# KiCad board flex.kicad_pcb
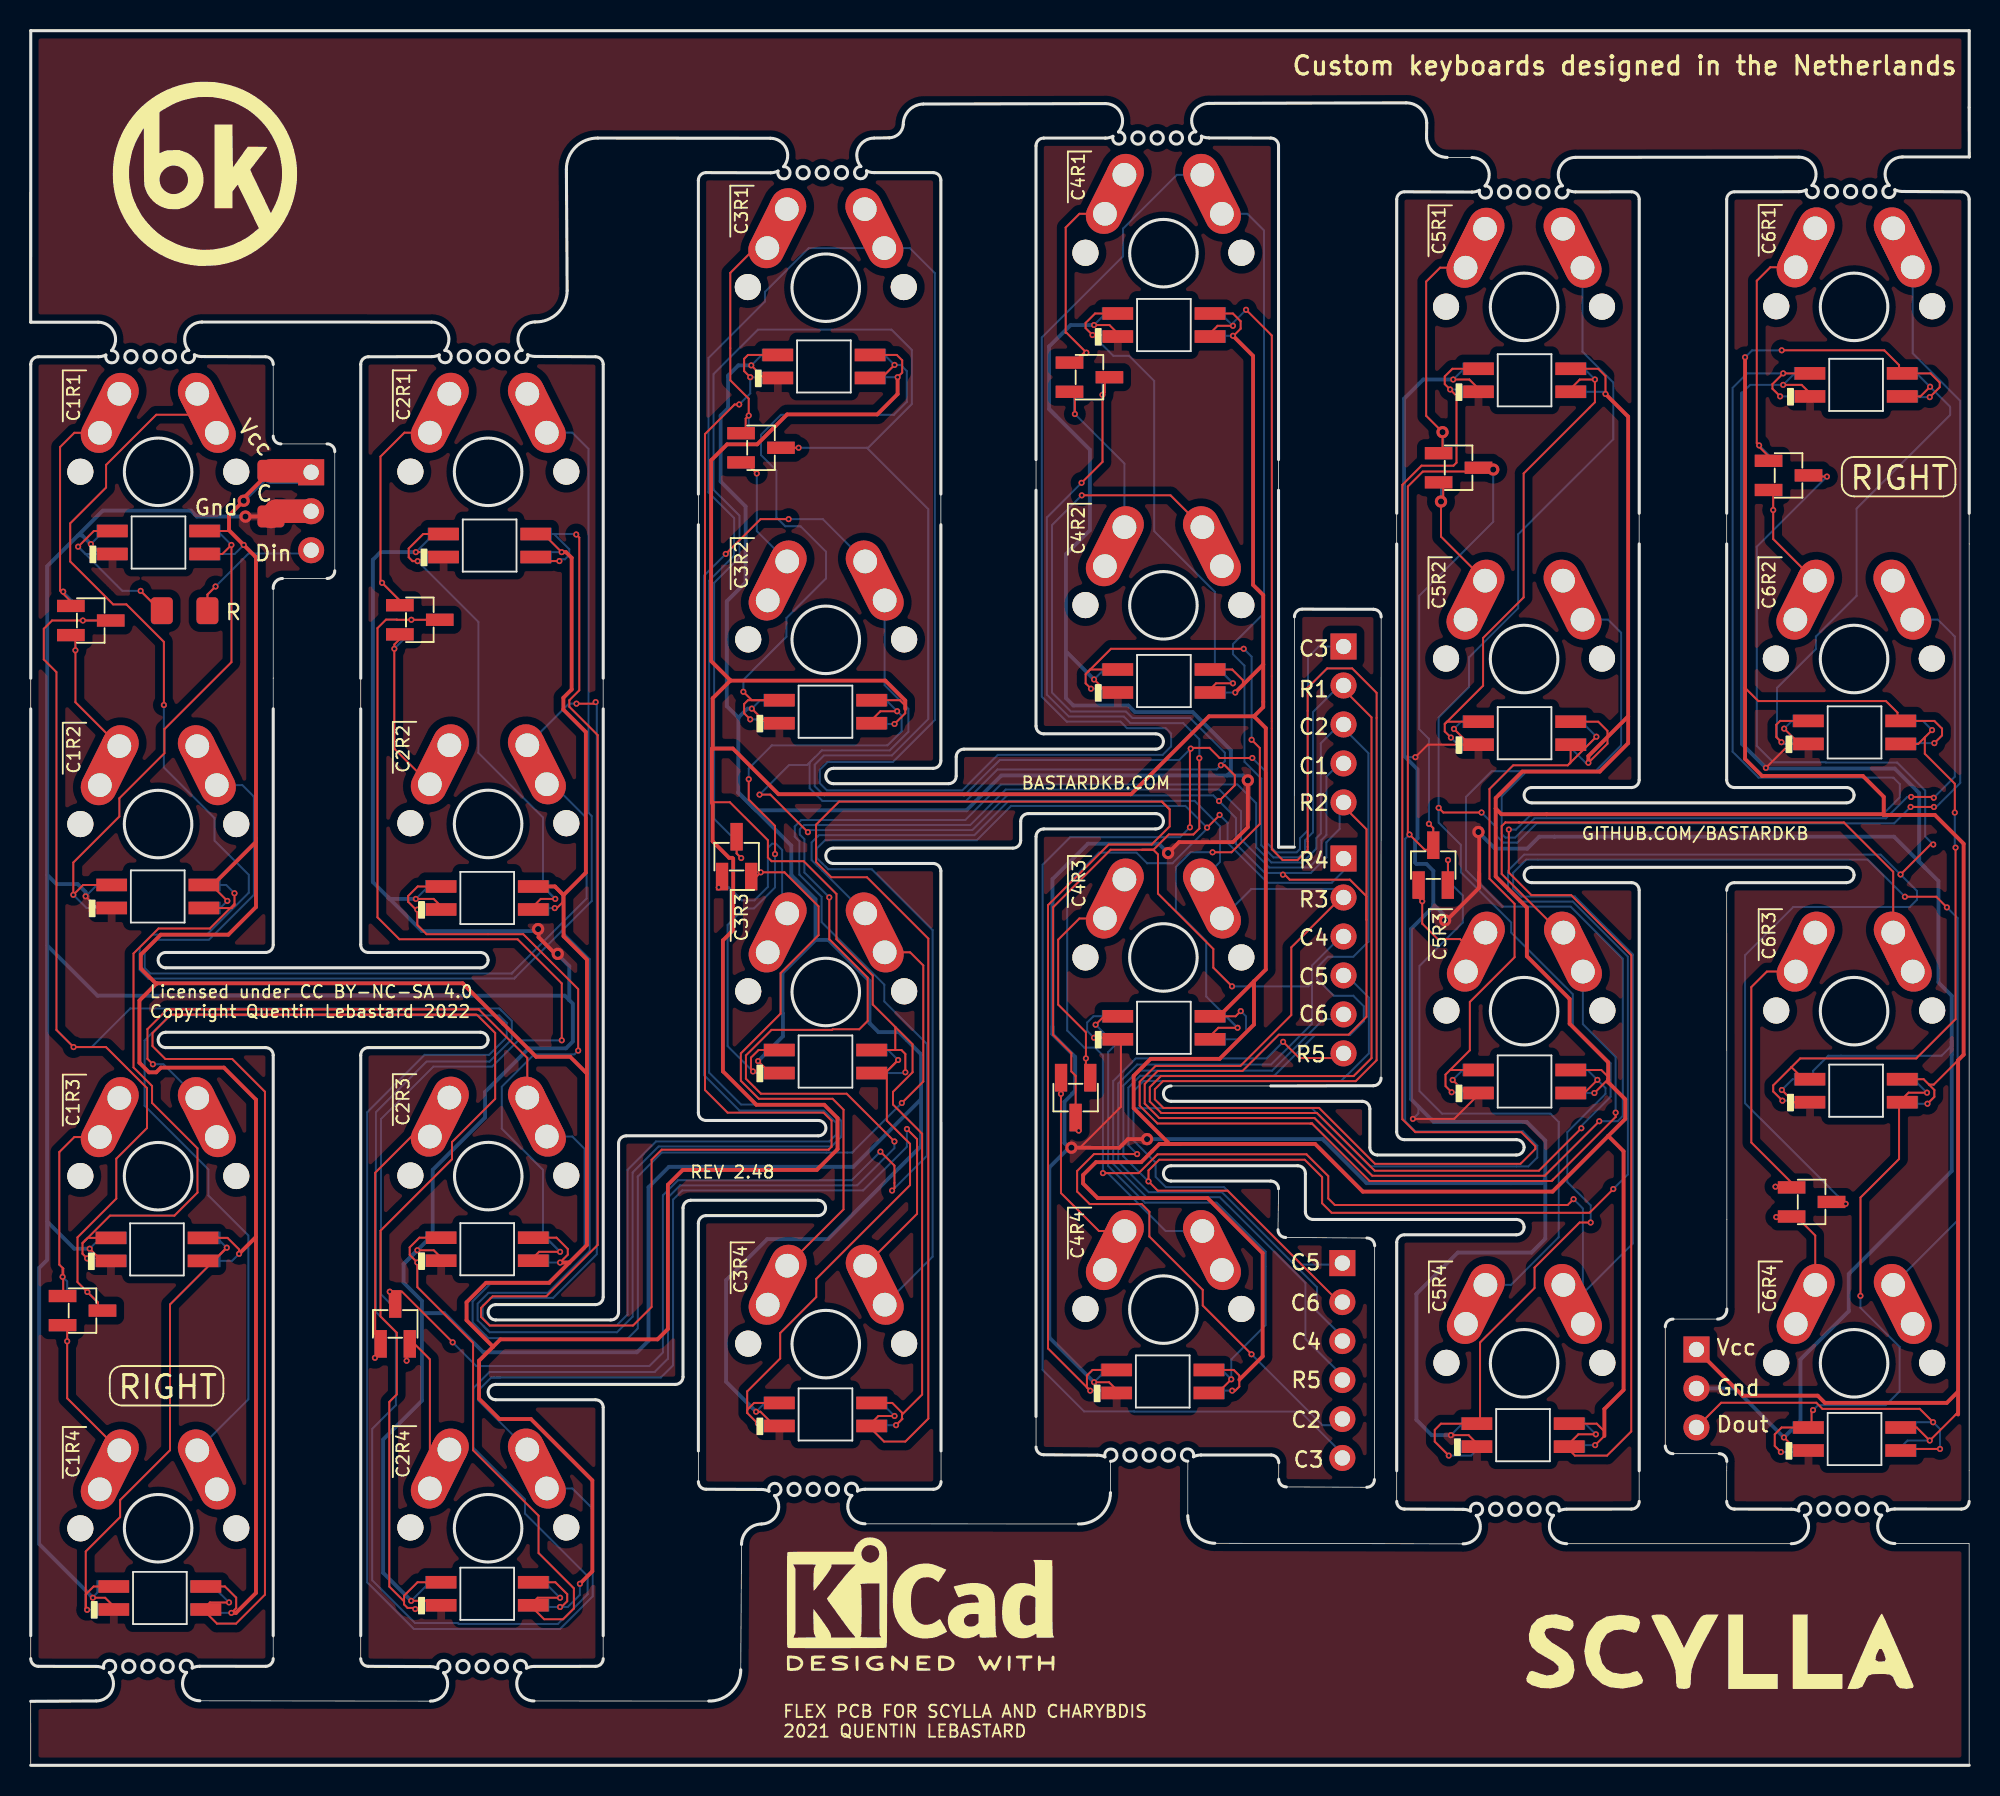
[diagram p0: board, top side]
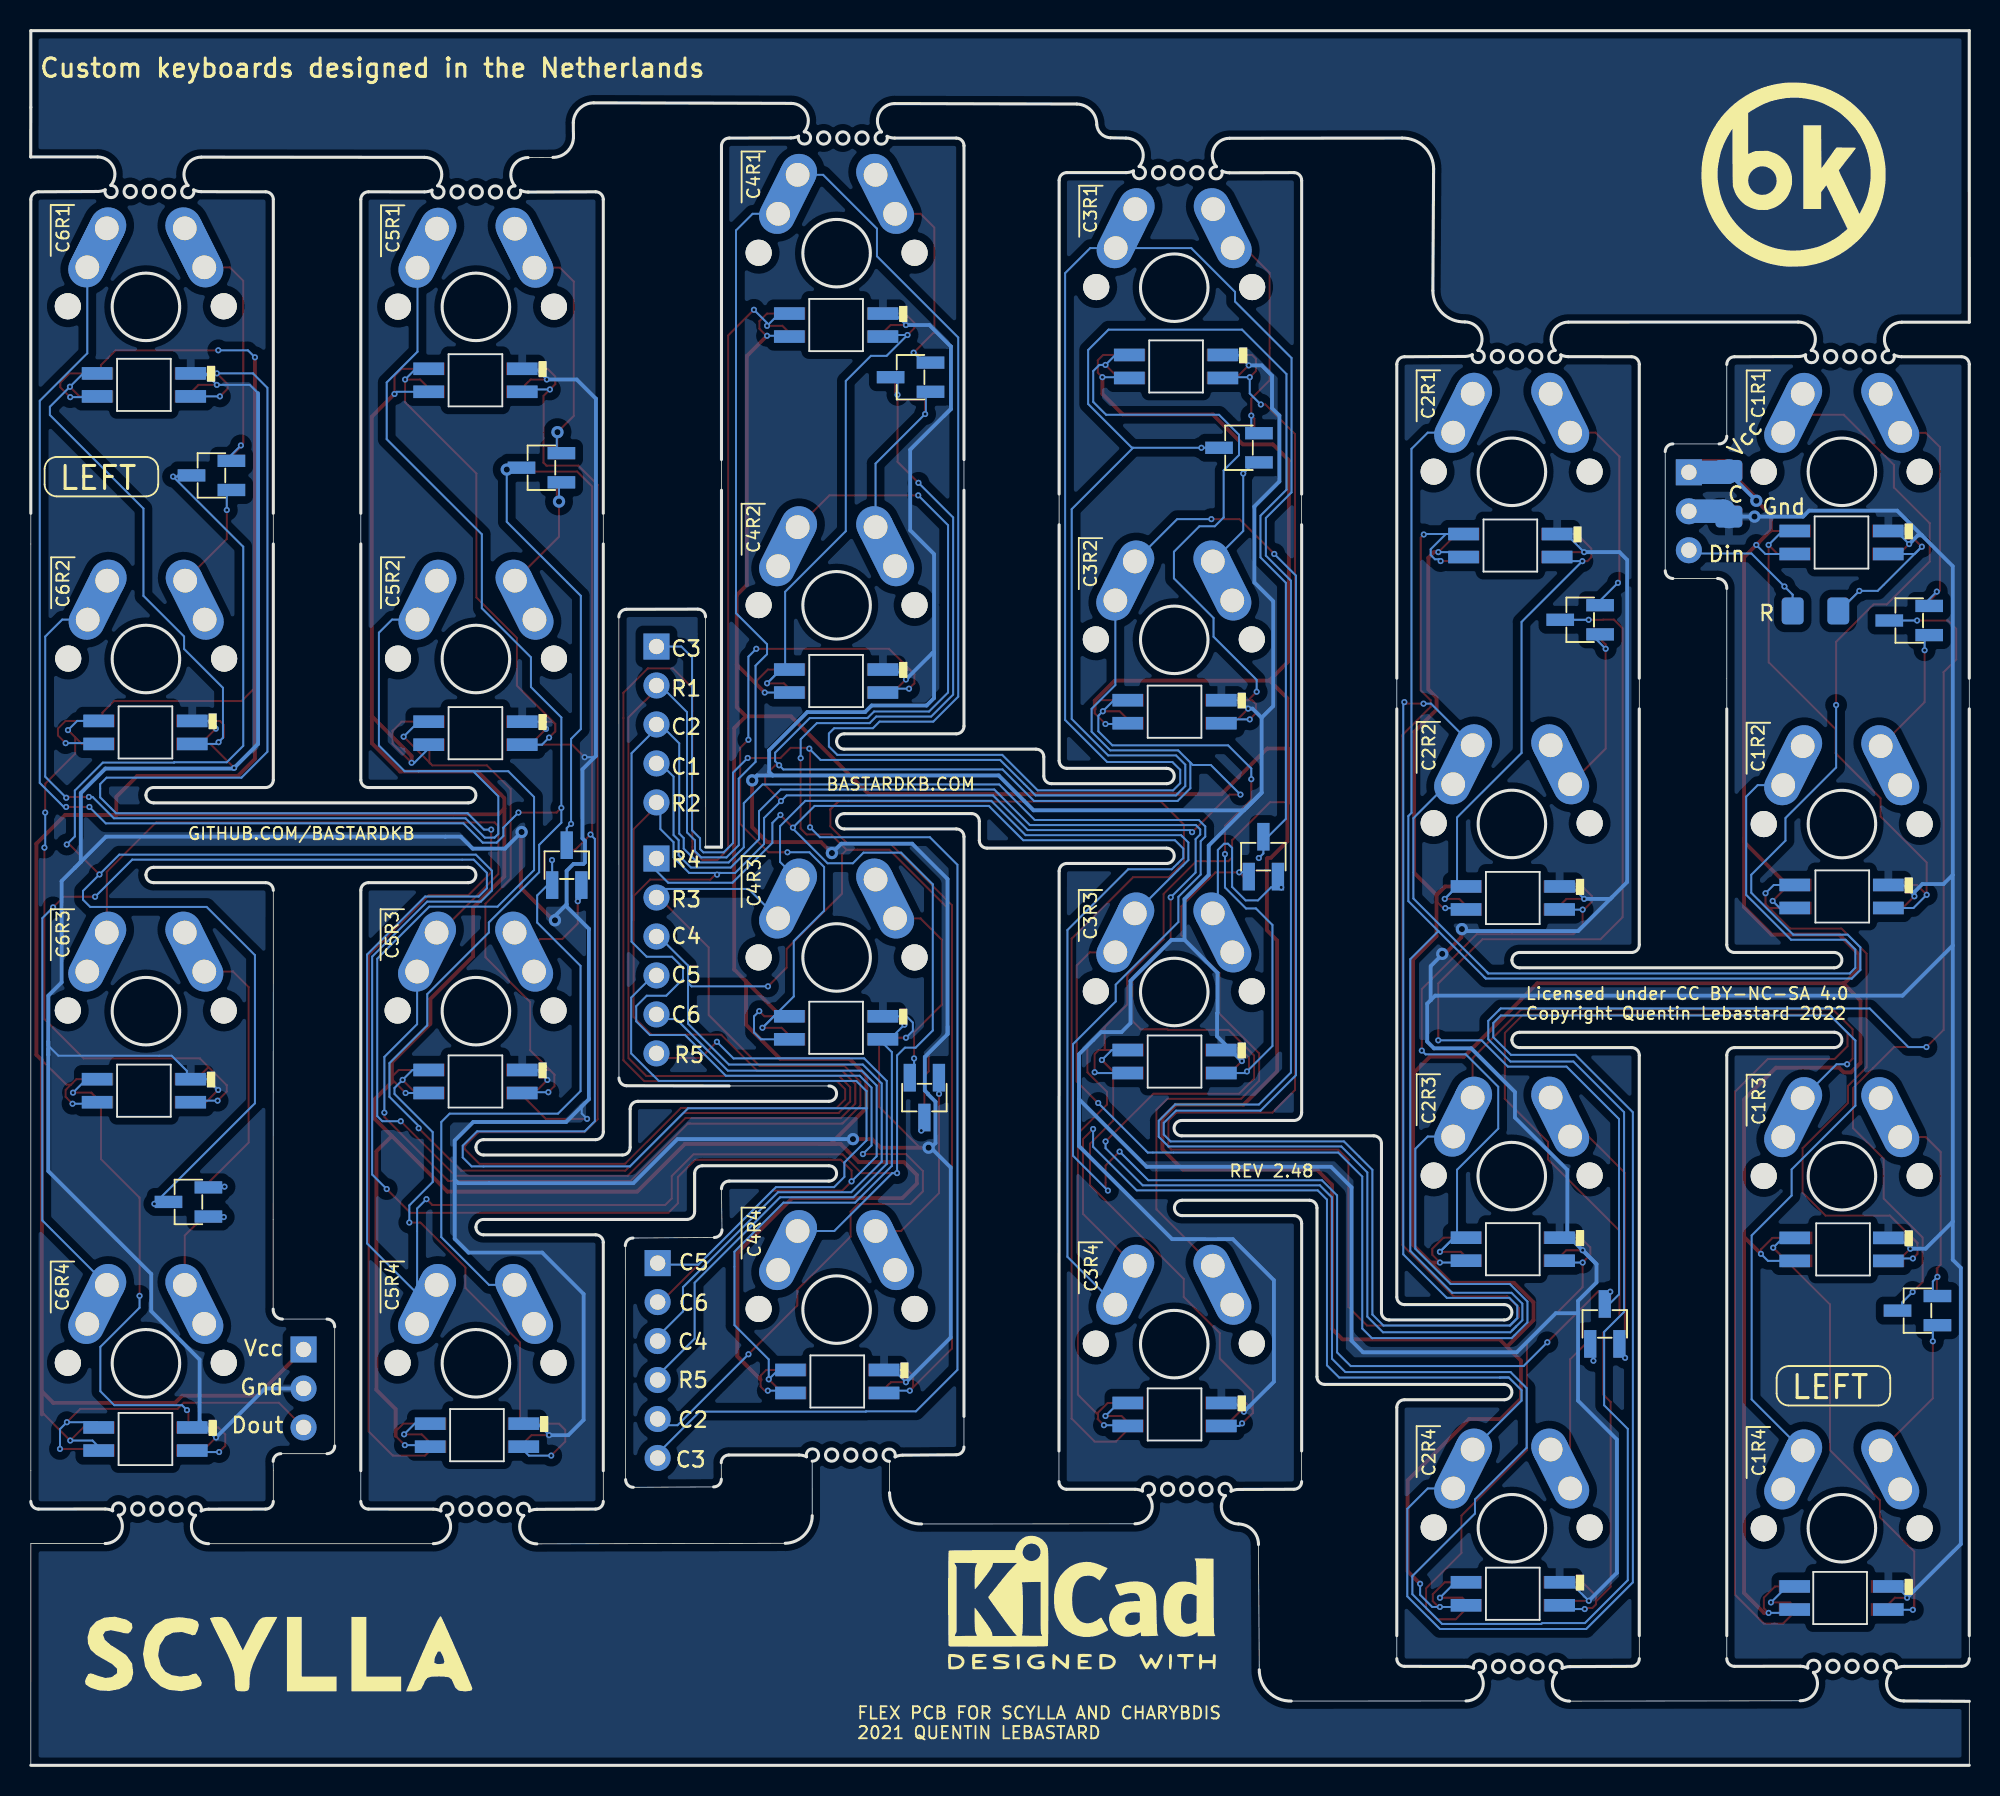
[diagram p1: board, bottom side, seen from below]

Outline 126.31 x 113.05 mm; copper layers: Top, Bottom. Coordinates in mm from the lower left corner of the outline.
Outline path: circle c6.39,6.45 r0.4 ; circle c6.53,91.8 r0.4 ; circle c7.64,6.45 r0.4 ; circle c7.78,91.81 r0.4 ; circle c8.3,61.34 r2.2 ; circle c8.3,38.39 r2.2 ; circle c8.3,84.3 r2.2 ; circle c8.3,15.45 r2.2 ; circle c8.89,6.45 r0.4 ; circle c9.03,91.81 r0.4 ; circle c28.16,6.44 r0.4 ; circle c28.25,91.81 r0.4 ; circle c29.41,6.44 r0.4 ; circle c29.5,91.81 r0.4 ; circle c29.8,84.3 r2.2 ; circle c29.8,61.35 r2.2 ; circle c29.8,15.45 r2.2 ; circle c29.81,38.4 r2.2 ; circle c30.66,6.44 r0.4 ; circle c30.75,91.81 r0.4 ; circle c49.73,17.98 r0.4 ; circle c50.33,103.79 r0.4 ; circle c50.98,17.98 r0.4 ; circle c51.58,103.79 r0.4 ; circle c51.8,96.3 r2.2 ; circle c51.8,73.35 r2.2 ; circle c51.8,50.4 r2.2 ; circle c51.8,27.45 r2.2 ; circle c52.23,17.99 r0.4 ; circle c52.83,103.8 r0.4 ; circle c71.62,20.22 r0.4 ; circle c72.14,106.05 r0.4 ; circle c72.87,20.22 r0.4 ; circle c73.39,106.06 r0.4 ; circle c73.8,98.55 r2.2 ; circle c73.8,75.6 r2.2 ; circle c73.8,52.65 r2.2 ; circle c73.8,29.7 r2.2 ; circle c74.12,20.22 r0.4 ; circle c74.64,106.06 r0.4 ; circle c95.45,16.69 r0.4 ; circle c96.03,102.54 r0.4 ; circle c96.7,16.69 r0.4 ; circle c97.28,102.54 r0.4 ; circle c97.3,95.05 r2.2 ; circle c97.3,72.1 r2.2 ; circle c97.3,49.15 r2.2 ; circle c97.3,26.2 r2.2 ; circle c97.95,16.69 r0.4 ; circle c98.53,102.54 r0.4 ; circle c116.83,16.7 r0.4 ; circle c117.33,102.56 r0.4 ; circle c118.08,16.7 r0.4 ; circle c118.58,102.56 r0.4 ; circle c118.8,95.05 r2.2 ; circle c118.8,72.1 r2.2 ; circle c118.8,49.15 r2.2 ; circle c118.8,26.2 r2.2 ; circle c119.33,16.7 r0.4 ; circle c119.83,102.57 r0.4 ; 0,94.05 4.4,94.05 arc(5.42,93.4) 5.27,92.2 arc(5.53,91.49) 4.9,91.91 arc(4.66,91.83) 4.41,91.8 0.5,91.8 arc(0.15,91.65) 0,91.3 0,68.85 0,6.95 arc(0.15,6.6) 0.5,6.45 4.27,6.44 arc(4.52,6.42) 4.76,6.33 arc(5.39,6.76) 5.13,6.05 arc(5.29,4.85) 4.27,4.19 0,4.17 0,0 126.3,0 126.3,14.45 121.46,14.45 arc(120.44,15.1) 120.6,16.3 arc(120.34,17.02) 120.97,16.59 arc(121.21,16.68) 121.46,16.7 125.8,16.7 arc(126.16,16.85) 126.3,17.2 126.3,102.05 arc(126.16,102.4) 125.8,102.55 121.95,102.57 arc(121.7,102.6) 121.46,102.68 arc(120.83,102.25) 121.09,102.97 arc(120.93,104.17) 121.95,104.82 126.31,104.82 126.3,108.05 126.3,113.05 0,113.05 0,94.05 ; 8.8,52.97 15.3,52.97 arc(15.66,53.12) 15.8,53.47 15.8,68.85 15.8,76.7 arc(15.96,77.15) 16.4,77.35 19.31,77.35 arc(19.67,77.5) 19.81,77.85 19.81,85.62 arc(19.67,85.97) 19.31,86.12 16.3,86.12 arc(15.95,86.27) 15.8,86.62 15.8,91.3 arc(15.66,91.65) 15.3,91.8 11.16,91.81 arc(10.9,91.84) 10.67,91.92 arc(10.04,91.49) 10.3,92.21 arc(10.13,93.41) 11.15,94.06 26.12,94.06 arc(27.14,93.41) 26.98,92.21 arc(27.25,91.49) 26.62,91.92 arc(26.38,91.84) 26.13,91.81 22,91.8 arc(21.65,91.65) 21.5,91.3 21.5,68.85 21.5,53.47 arc(21.65,53.12) 22,52.97 29.3,52.97 arc(29.66,52.83) 29.8,52.47 arc(29.66,52.12) 29.3,51.97 8.8,51.97 arc(8.3,52.47) 8.8,52.97 ; 8.8,46.78 arc(8.3,47.27) 8.8,47.77 29.3,47.77 arc(29.66,47.63) 29.8,47.27 arc(29.66,46.92) 29.3,46.77 22,46.77 arc(21.65,46.63) 21.5,46.27 21.5,6.95 arc(21.65,6.6) 22,6.45 26.04,6.43 arc(26.29,6.4) 26.53,6.32 arc(27.16,6.75) 26.9,6.03 arc(27.06,4.84) 26.04,4.18 11.02,4.21 arc(10,4.86) 10.16,6.06 arc(9.89,6.77) 10.52,6.34 arc(10.76,6.43) 11.01,6.46 15.3,6.45 arc(15.66,6.6) 15.8,6.95 15.8,46.27 arc(15.66,46.63) 15.3,46.77 8.8,46.77 ; 30.3,30.03 36.8,30.02 arc(37.16,30.17) 37.3,30.52 37.3,70.85 37.3,91.3 arc(37.16,91.65) 36.8,91.8 32.87,91.82 arc(32.62,91.85) 32.38,91.93 arc(31.75,91.5) 32.01,92.22 arc(31.85,93.42) 32.87,94.07 arc(34.34,94.65) 34.95,96.11 34.9,104.03 arc(35.5,105.47) 36.95,106.05 48.2,106.04 arc(49.22,105.39) 49.06,104.19 arc(49.32,103.47) 48.69,103.9 arc(48.45,103.82) 48.2,103.79 44,103.8 arc(43.65,103.65) 43.5,103.3 43.5,80.85 43.5,42.52 arc(43.65,42.17) 44,42.03 51.31,42.02 arc(51.81,41.52) 51.31,41.02 38.8,41.02 arc(38.45,40.88) 38.3,40.52 38.3,29.53 arc(38.16,29.17) 37.8,29.03 30.3,29.02 arc(29.8,29.53) 30.3,30.03 ; 30.3,23.83 arc(29.8,24.33) 30.3,24.83 42,24.83 arc(42.36,24.97) 42.5,25.33 42.5,36.32 arc(42.65,36.68) 43,36.82 51.29,36.82 arc(51.79,36.32) 51.29,35.82 44,35.82 arc(43.65,35.68) 43.5,35.32 43.5,18.49 arc(43.65,18.14) 44,17.99 47.61,17.98 arc(47.86,17.95) 48.1,17.87 arc(48.73,18.3) 48.47,17.58 arc(48.63,16.38) 47.61,15.73 arc(46.69,15.32) 46.31,14.39 46.26,6.23 arc(45.65,4.77) 44.18,4.19 32.79,4.19 arc(31.77,4.84) 31.93,6.04 arc(31.67,6.76) 32.3,6.33 arc(32.54,6.42) 32.79,6.44 36.8,6.45 arc(37.16,6.6) 37.3,6.95 37.3,23.33 arc(37.16,23.68) 36.8,23.83 30.3,23.83 ; 52.3,64.97 58.8,64.97 arc(59.16,65.12) 59.3,65.47 59.3,103.3 arc(59.16,103.65) 58.8,103.8 54.95,103.8 arc(54.7,103.83) 54.46,103.91 arc(53.83,103.48) 54.09,104.2 arc(53.93,105.4) 54.95,106.05 55.95,106.07 arc(56.57,106.33) 56.85,106.93 arc(57.23,107.86) 58.15,108.27 70.02,108.3 arc(71.04,107.65) 70.88,106.45 arc(71.14,105.74) 70.51,106.16 arc(70.27,106.08) 70.02,106.05 66,106.05 arc(65.65,105.9) 65.5,105.55 65.5,67.72 arc(65.65,67.37) 66,67.22 73.3,67.22 arc(73.66,67.08) 73.8,66.72 arc(73.66,66.37) 73.3,66.22 60.8,66.22 arc(60.45,66.08) 60.3,65.72 60.3,64.47 arc(60.16,64.12) 59.8,63.97 52.3,63.97 arc(51.8,64.47) 52.3,64.97 ; 52.3,58.77 arc(51.8,59.27) 52.3,59.77 64,59.77 arc(64.36,59.92) 64.5,60.27 64.5,61.52 arc(64.65,61.88) 65,62.02 73.3,62.02 arc(73.66,61.88) 73.8,61.52 arc(73.66,61.17) 73.3,61.02 66,61.02 arc(65.65,60.88) 65.5,60.52 65.5,20.74 arc(65.65,20.39) 66,20.24 69.5,20.21 arc(69.75,20.18) 69.99,20.1 arc(70.62,20.53) 70.36,19.81 70.35,17.77 arc(69.74,16.31) 68.27,15.73 54.36,15.74 arc(53.34,16.39) 53.5,17.59 arc(53.24,18.3) 53.87,17.88 arc(54.11,17.96) 54.36,17.99 58.81,17.99 arc(59.17,18.14) 59.31,18.49 59.31,20.49 59.3,58.27 arc(59.16,58.63) 58.8,58.77 52.3,58.77 ; 74.3,44.27 80.8,44.27 87.48,44.29 arc(87.83,44.44) 87.98,44.79 87.99,74.84 arc(87.84,75.19) 87.49,75.34 82.84,75.35 arc(82.49,75.2) 82.34,74.85 82.33,59.84 81.3,59.84 81.3,105.55 arc(81.16,105.9) 80.8,106.05 76.77,106.06 arc(76.52,106.09) 76.28,106.17 arc(75.65,105.74) 75.91,106.46 arc(75.75,107.66) 76.77,108.31 89.62,108.35 arc(90.55,107.97) 90.96,107.05 90.95,106.09 arc(91.35,105.17) 92.29,104.79 93.9,104.78 arc(94.92,104.13) 94.76,102.93 arc(95.03,102.22) 94.4,102.65 arc(94.16,102.56) 93.91,102.53 89.5,102.55 arc(89.15,102.4) 89,102.05 89,79.6 89,41.27 arc(89.15,40.92) 89.5,40.77 96.8,40.77 arc(97.16,40.63) 97.3,40.27 arc(97.16,39.92) 96.8,39.77 87.75,39.77 arc(87.4,39.92) 87.25,40.27 87.25,42.77 arc(87.11,43.13) 86.75,43.27 74.3,43.27 arc(73.8,43.77) 74.3,44.27 ; 74.3,38.07 arc(73.8,38.57) 74.3,39.07 82.55,39.07 arc(82.91,38.93) 83.05,38.57 83.05,36.07 arc(83.2,35.72) 83.55,35.57 96.8,35.57 arc(97.16,35.43) 97.3,35.07 arc(97.16,34.72) 96.8,34.57 89.5,34.57 arc(89.15,34.43) 89,34.07 89,17.2 arc(89.15,16.85) 89.5,16.7 93.33,16.68 arc(93.58,16.65) 93.82,16.57 arc(94.45,17) 94.19,16.28 arc(94.35,15.08) 93.33,14.43 77.15,14.47 arc(75.91,15.01) 75.39,16.27 75.39,19.82 arc(75.13,20.54) 75.76,20.11 arc(76,20.2) 76.25,20.22 80.82,20.22 arc(81.17,20.08) 81.32,19.72 81.31,18.64 arc(81.46,18.29) 81.81,18.14 87.05,18.12 arc(87.4,18.27) 87.55,18.62 87.57,33.86 arc(87.42,34.22) 87.07,34.36 81.77,34.4 arc(81.41,34.55) 81.27,34.9 81.3,37.57 arc(81.16,37.93) 80.8,38.07 74.3,38.07 ; 97.8,63.72 104.3,63.72 arc(104.66,63.87) 104.8,64.22 104.8,102.05 arc(104.66,102.4) 104.3,102.55 100.65,102.54 arc(100.4,102.57) 100.16,102.66 arc(99.53,102.23) 99.79,102.94 arc(99.63,104.14) 100.65,104.79 115.2,104.81 arc(116.22,104.16) 116.06,102.96 arc(116.32,102.24) 115.69,102.67 arc(115.45,102.59) 115.2,102.56 111,102.55 arc(110.65,102.4) 110.5,102.05 110.5,79.6 110.5,64.22 arc(110.65,63.87) 111,63.72 118.3,63.72 arc(118.66,63.58) 118.8,63.22 arc(118.66,62.87) 118.3,62.72 97.8,62.72 arc(97.3,63.22) 97.8,63.72 ; 97.8,57.52 arc(97.3,58.02) 97.8,58.52 118.3,58.52 arc(118.66,58.38) 118.8,58.02 arc(118.66,57.67) 118.3,57.52 111,57.52 arc(110.65,57.38) 110.5,57.02 110.51,35.58 110.51,29.73 arc(110.35,29.28) 109.91,29.08 107,29.08 arc(106.65,28.93) 106.5,28.58 106.5,20.81 arc(106.65,20.46) 107,20.31 110.01,20.31 arc(110.37,20.16) 110.51,19.81 110.5,19.2 110.5,17.2 arc(110.65,16.85) 111,16.7 114.71,16.69 arc(114.96,16.66) 115.2,16.58 arc(115.83,17.01) 115.57,16.29 arc(115.73,15.1) 114.71,14.44 100.08,14.44 arc(99.06,15.09) 99.22,16.29 arc(98.95,17.01) 99.58,16.58 arc(99.82,16.67) 100.07,16.69 104.3,16.7 arc(104.66,16.85) 104.8,17.2 104.8,57.02 arc(104.66,57.38) 104.3,57.52 97.8,57.52
Stack: Top 0.035mm / dielectric 0.51mm FR4 er 4.5 / Bottom 0.035mm

## Placement (name value [footprint] x y rotation side)
C1  C  [C_1206_3216Metric_Pad1.42x1.75mm_HandSolder]  15.65 82.88 270 top
C2  C  [C_1206_3216Metric_Pad1.42x1.75mm_HandSolder]  15.66 82.87 270 bottom
D1  D_Schottky_x2_KCom_AAK  [TSOT-23_HandSoldering]  3.38 29.63 0 top
D2  SK6812MINI  [YS-SK6812MINI-E_REVERSE]  8.33 79.69 0 top
D3  SK6812MINI  [YS-SK6812MINI-E_REVERSE]  8.28 56.62 0 top
D4  SK6812MINI  [YS-SK6812MINI-E_REVERSE]  8.23 33.62 0 top
D5  SK6812MINI  [YS-SK6812MINI-E_REVERSE]  29.74 11.18 0 top
D6  SK6812MINI  [YS-SK6812MINI-E_REVERSE_NO_EDGECUT]  29.74 11.18 0 bottom
D7  SK6812MINI  [YS-SK6812MINI-E_REVERSE]  29.74 33.64 0 top
D8  SK6812MINI  [YS-SK6812MINI-E_REVERSE_NO_EDGECUT]  29.74 33.64 0 bottom
D9  D_Schottky_x2_KCom_AAK  [TSOT-23_HandSoldering]  47.58 85.87 0 top
D10  D_Schottky_x2_KCom_AAK  [TSOT-23_HandSoldering]  46 59.22 90 top
D11  D_Schottky_x2_KCom_AAK  [TSOT-23_HandSoldering]  68.98 90.47 0 top
D12  D_Schottky_x2_KCom_AAK  [TSOT-23_HandSoldering]  68.08 43.52 270 top
D13  D_Schottky_x2_KCom_AAK  [TSOT-23_HandSoldering]  3.91 74.61 0 top
D14  D_Schottky_x2_KCom_AAK  [TSOT-23_HandSoldering]  93.03 84.57 0 top
D15  D_Schottky_x2_KCom_AAK  [TSOT-23_HandSoldering]  91.38 58.67 90 top
D16  D_Schottky_x2_KCom_AAK  [TSOT-23_HandSoldering]  114.53 84.07 0 top
D17  D_Schottky_x2_KCom_AAK  [TSOT-23_HandSoldering]  116.03 36.72 0 top
D18  SK6812MINI  [YS-SK6812MINI-E_REVERSE]  8.42 10.9 0 top
D19  SK6812MINI  [YS-SK6812MINI-E_REVERSE]  51.68 91.17 0 top
D20  SK6812MINI  [YS-SK6812MINI-E_REVERSE_NO_EDGECUT]  51.68 91.17 0 bottom
D21  SK6812MINI  [YS-SK6812MINI-E_REVERSE]  51.78 68.67 0 top
D22  SK6812MINI  [YS-SK6812MINI-E_REVERSE_NO_EDGECUT]  51.78 68.67 0 bottom
D23  SK6812MINI  [YS-SK6812MINI-E_REVERSE]  51.78 45.87 0 top
D24  SK6812MINI  [YS-SK6812MINI-E_REVERSE_NO_EDGECUT]  51.78 45.87 0 bottom
D25  SK6812MINI  [YS-SK6812MINI-E_REVERSE]  51.78 22.87 0 top
D26  SK6812MINI  [YS-SK6812MINI-E_REVERSE_NO_EDGECUT]  51.78 22.87 0 bottom
D27  SK6812MINI  [YS-SK6812MINI-E_REVERSE_NO_EDGECUT]  8.33 79.69 0 bottom
D28  SK6812MINI  [YS-SK6812MINI-E_REVERSE_NO_EDGECUT]  8.33 56.62 0 bottom
D29  SK6812MINI  [YS-SK6812MINI-E_REVERSE_NO_EDGECUT]  8.33 33.62 0 bottom
D30  SK6812MINI  [YS-SK6812MINI-E_REVERSE_NO_EDGECUT]  8.33 10.9 0 bottom
D31  D_Schottky_x2_KCom_AAK  [TSOT-23_HandSoldering]  25.35 74.66 0 top
D32  D_Schottky_x2_KCom_AAK  [TSOT-23_HandSoldering]  23.75 28.77 90 top
D33  SK6812MINI  [YS-SK6812MINI-E_REVERSE]  29.74 56.53 0 top
D34  SK6812MINI  [YS-SK6812MINI-E_REVERSE_NO_EDGECUT]  29.74 56.53 0 bottom
D35  SK6812MINI  [YS-SK6812MINI-E_REVERSE]  29.9 79.5 0 top
D36  SK6812MINI  [YS-SK6812MINI-E_REVERSE_NO_EDGECUT]  29.9 79.5 0 bottom
D37  SK6812MINI  [YS-SK6812MINI-E_REVERSE]  73.76 25.02 0 top
D38  SK6812MINI  [YS-SK6812MINI-E_REVERSE_NO_EDGECUT]  73.76 25.02 0 bottom
D39  SK6812MINI  [YS-SK6812MINI-E_REVERSE]  73.83 48.07 0 top
D40  SK6812MINI  [YS-SK6812MINI-E_REVERSE_NO_EDGECUT]  73.83 48.07 0 bottom
D41  SK6812MINI  [YS-SK6812MINI-E_REVERSE]  73.83 70.67 0 top
D42  SK6812MINI  [YS-SK6812MINI-E_REVERSE_NO_EDGECUT]  73.83 70.67 0 bottom
D43  SK6812MINI  [YS-SK6812MINI-E_REVERSE]  73.83 93.87 0 top
D44  SK6812MINI  [YS-SK6812MINI-E_REVERSE_NO_EDGECUT]  73.83 93.87 0 bottom
D45  SK6812MINI  [YS-SK6812MINI-E_REVERSE]  97.33 90.27 0 top
D46  SK6812MINI  [YS-SK6812MINI-E_REVERSE_NO_EDGECUT]  97.33 90.27 0 bottom
D47  SK6812MINI  [YS-SK6812MINI-E_REVERSE]  97.33 67.27 0 top
D48  SK6812MINI  [YS-SK6812MINI-E_REVERSE_NO_EDGECUT]  97.33 67.27 0 bottom
D49  SK6812MINI  [YS-SK6812MINI-E_REVERSE]  97.33 44.57 0 top
D50  SK6812MINI  [YS-SK6812MINI-E_REVERSE_NO_EDGECUT]  97.33 44.57 0 bottom
D51  SK6812MINI  [YS-SK6812MINI-E_REVERSE]  97.23 21.52 0 top
D52  SK6812MINI  [YS-SK6812MINI-E_REVERSE_NO_EDGECUT]  97.23 21.52 0 bottom
D53  SK6812MINI  [YS-SK6812MINI-E_REVERSE]  118.93 89.97 0 top
D54  SK6812MINI  [YS-SK6812MINI-E_REVERSE_NO_EDGECUT]  118.93 89.97 0 bottom
D55  SK6812MINI  [YS-SK6812MINI-E_REVERSE]  118.83 67.32 0 top
D56  SK6812MINI  [YS-SK6812MINI-E_REVERSE_NO_EDGECUT]  118.83 67.32 0 bottom
D57  SK6812MINI  [YS-SK6812MINI-E_REVERSE]  118.93 43.97 0 top
D58  SK6812MINI  [YS-SK6812MINI-E_REVERSE_NO_EDGECUT]  118.93 43.97 0 bottom
D59  SK6812MINI  [YS-SK6812MINI-E_REVERSE]  118.83 21.27 0 top
D60  SK6812MINI  [YS-SK6812MINI-E_REVERSE_NO_EDGECUT]  118.83 21.27 0 bottom
G***  -  [LOGO]  11.35 103.72 0 top
G***#2  -  [LOGO]  242.65 17.08 0 top
G***#3  -  [LOGO]  109.95 7.57 0 top
G***#4  -  [LOGO]  330.98 28.46 0 top
G***#5  -  [LOGO]  57.85 10.47 0 top
G***#6  -  [LOGO]  231.47 -2.88 0 top
G***#7  -  [LOGO]  110.26 7.41 180 bottom
G***#8  -  [LOGO]  231.62 -8.98 180 bottom
G***#9  -  [LOGO]  57.95 10.57 180 bottom
G***#10  -  [LOGO]  331.28 28.41 180 bottom
G***#11  -  [LOGO]  242.24 17.29 180 bottom
G***#12  -  [LOGO]  11.45 103.67 180 bottom
J1  Conn_01x06_Female  [PinHeader_1x06_P2.54mm_Vertical]  85.46 32.73 0 top
J2  Conn_01x05_Female  [PinHeader_1x05_P2.54mm_Vertical]  85.54 72.92 0 top
J3  Conn_01x03_Female  [PinHeader_1x03_P2.54mm_Vertical]  18.27 84.27 0 top
J4  Conn_01x06_Female  [PinHeader_1x06_P2.54mm_Vertical]  85.54 59.1 0 top
J5  Conn_01x03_Female  [PinHeader_1x03_P2.54mm_Vertical]  108.53 27.1 0 top
R1  R  [R_1206_3216Metric_Pad1.42x1.75mm_HandSolder]  10.02 75.23 180 bottom
R2  R  [R_1206_3216Metric_Pad1.42x1.75mm_HandSolder]  10.03 75.25 180 top
SW1  SW_Push  [SW_MX_reversible]  8.31 84.3 180 bottom
SW2  SW_Push  [SW_MX_reversible]  8.31 61.34 180 bottom
SW3  SW_Push  [SW_MX_reversible]  8.31 38.41 180 bottom
SW4  SW_Push  [SW_MX_reversible]  8.31 15.44 180 bottom
SW5  SW_Push  [SW_MX_reversible]  29.82 84.31 180 bottom
SW6  SW_Push  [SW_MX_reversible]  29.82 61.4 180 bottom
SW7  SW_Push  [SW_MX_reversible]  29.82 38.44 180 bottom
SW8  SW_Push  [SW_MX_reversible]  29.82 15.5 180 bottom
SW9  SW_Push  [SW_MX_reversible]  51.8 96.34 180 bottom
SW10  SW_Push  [SW_MX_reversible]  51.83 73.38 180 bottom
SW11  SW_Push  [SW_MX_reversible]  51.83 50.44 180 bottom
SW12  SW_Push  [SW_MX_reversible]  51.83 27.48 180 bottom
SW14  SW_Push  [SW_MX_reversible]  73.8 98.58 180 bottom
SW15  SW_Push  [SW_MX_reversible]  73.8 75.61 180 bottom
SW16  SW_Push  [SW_MX_reversible]  73.8 52.65 180 bottom
SW17  SW_Push  [SW_MX_reversible]  73.8 29.74 180 bottom
SW19  SW_Push  [SW_MX_reversible]  97.3 95.06 180 bottom
SW20  SW_Push  [SW_MX_reversible]  97.3 72.13 180 bottom
SW21  SW_Push  [SW_MX_reversible]  97.32 49.19 180 bottom
SW22  SW_Push  [SW_MX_reversible]  97.32 26.23 180 bottom
SW23  SW_Push  [SW_MX_reversible]  118.81 95.09 180 bottom
SW24  SW_Push  [SW_MX_reversible]  118.79 72.13 180 bottom
SW25  SW_Push  [SW_MX_reversible]  118.81 49.19 180 bottom
SW26  SW_Push  [SW_MX_reversible]  118.81 26.23 180 bottom

## Library data of the parts
D2 = -: Field4: V; Field5: I; Field6: G; Field7: O
D3 D20 D35 D41 D47 D60 = -: Field4: G; Field5: O; Field6: V; Field7: I
D4 D59 = -: Field4: I; Field5: G; Field6: O; Field7: V
D5 D46 D55 = -: Field4: O; Field5: G; Field6: V; Field7: I
D6 D18 D28 = -: Field4: G; Field5: V; Field6: O; Field7: I
D7 D27 D42 D52 = -: Field4: O; Field5: G; Field6: I; Field7: V
D8 D23 = -: Field4: I; Field5: O; Field6: V; Field7: G
D19 = -: Field4: O; Field5: V; Field6: I; Field7: G
D21 D22 = -: Field4: G; Field5: I; Field6: V; Field7: O
D24 = -: Field4: V; Field5: I; Field6: O; Field7: G
D25 D38 = -: Field4: I; Field5: O; Field6: G; Field7: V
D26 D44 D45 = -: Field4: V; Field5: O; Field6: G; Field7: I
D29 D56 D57 = -: Field4: G; Field5: O; Field6: I; Field7: V
D30 D33 D49 = -: Field4: I; Field5: V; Field6: G; Field7: O
D34 = -: Field4: V; Field5: G; Field6: I; Field7: O
D36 = -: Field4: I; Field5: G; Field6: V; Field7: O
D37 = -: Field4: O; Field5: V; Field6: G; Field7: I
D39 = -: Field4: O; Field5: I; Field6: V; Field7: G
D40 D48 D54 = -: Field4: G; Field5: V; Field6: I; Field7: O
D43 D50 D58 = -: Field4: O; Field5: I; Field6: G; Field7: V
D51 = -: Field4: V; Field5: G; Field6: O; Field7: I
D53 = -: Field4: G; Field5: I; Field6: O; Field7: V

## Footprints (pads in the part's own frame, mm; a bottom-side part is the same pattern mirrored in y, then rotated)
C_1206_3216Metric_Pad1.42x1.75mm_HandSolder
  rrect 1.425x1.75 smd: 1(-1.488,0) 2(1.488,0)
PinHeader_1x03_P2.54mm_Vertical
  rect 1.7x1.7 hole 1: 1(0,0)
  oval 1.7x1.7 hole 1: 2(0,-2.54) 3(0,-5.08)
PinHeader_1x05_P2.54mm_Vertical
  rect 1.7x1.7 hole 1: 1(0,0)
  oval 1.7x1.7 hole 1: 2(0,-2.54) 3(0,-5.08) 4(0,-7.62) 5(0,-10.16)
PinHeader_1x06_P2.54mm_Vertical
  rect 1.7x1.7 hole 1: 1(0,0)
  oval 1.7x1.7 hole 1: 2(0,-2.54) 3(0,-5.08) 4(0,-7.62) 5(0,-10.16) 6(0,-12.7)
R_1206_3216Metric_Pad1.42x1.75mm_HandSolder
  rrect 1.425x1.75 smd: 1(-1.488,0) 2(1.488,0)
SW_MX_reversible
  round 1.702 hole 1.702 unplated: (-5.08,0) (5.08,0)
  oval 2.35x5.55 hole 1.55 rot 26.5: 1(-3.81,2.54)
  round 2.35 hole 1.55: 1(-2.54,5.08) 2(2.54,5.08)
  oval 2.35x5.55 hole 1.55 rot 153.5: 2(3.81,2.54)
TSOT-23_HandSoldering
  rect 1.8x0.8 smd: 1(-1.3,-0.95) 2(-1.3,0.95) 3(1.3,0)
  rect 1.8x0.8 smd far side: 1(-1.3,-0.95) 2(-1.3,0.95) 3(1.3,0)
YS-SK6812MINI-E_REVERSE
  rect 2x0.82 smd: 1(3,-0.75) 2(-3,-0.75) 3(-3,0.75) 4(3,0.75)
YS-SK6812MINI-E_REVERSE_NO_EDGECUT
  rect 2x0.82 smd: 1(3.05,-0.75) 2(-3.05,-0.75) 3(-3.05,0.75) 4(3.05,0.75)

## Nets
Gnd: C1.2 C2.2 D2.2 D3.2 D4.2 D5.2 D6.2 D7.2 D8.2 D18.2 D19.2 D20.2 D21.2 D22.2 D23.2 D24.2 D25.2 D26.2 D27.2 D28.2 D29.2 D30.2 D33.2 D34.2 D35.2 D36.2 D37.2 D38.2 D39.2 D40.2 D41.2 D42.2 D43.2 D44.2 D45.2 D46.2 D47.2 D48.2 D49.2 D50.2 D51.2 D52.2 D53.2 D54.2 D55.2 D56.2 D57.2 D58.2 D59.2 D60.2 J3.2 J5.2
Vcc: C1.1 C2.1 D2.4 D3.4 D4.4 D5.4 D6.4 D7.4 D8.4 D18.4 D19.4 D20.4 D21.4 D22.4 D23.4 D24.4 D25.4 D26.4 D27.4 D28.4 D29.4 D30.4 D33.4 D34.4 D35.4 D36.4 D37.4 D38.4 D39.4 D40.4 D41.4 D42.4 D43.4 D44.4 D45.4 D46.4 D47.4 D48.4 D49.4 D50.4 D51.4 D52.4 D53.4 D54.4 D55.4 D56.4 D57.4 D58.4 D59.4 D60.4 J3.1 J5.1
col1: D1.3 D13.3 J2.4
col2: D31.3 D32.3 J1.5 J2.3
col3: D9.3 D10.3 J1.6 J2.1
col4: D11.3 D12.3 J1.3 J4.3
col5: D14.3 D15.3 J1.1 J4.4
col6: D16.3 D17.3 J1.2 J4.5
Din: J3.3 R1.1 R2.1
Dout: D59.1 D60.1 J5.3
row1: J2.2 SW1.1 SW5.1 SW9.1 SW14.1 SW19.1 SW23.1
row2: J2.5 SW2.1 SW6.1 SW10.1 SW15.1 SW20.1 SW24.1
row3: J4.2 SW3.1 SW7.1 SW11.1 SW16.1 SW21.1 SW25.1
row4: J4.1 SW4.1 SW8.1 SW12.1 SW17.1 SW22.1 SW26.1
row5: J1.4 J4.6
Net-(D1-Pad1): D1.1 SW4.2
Net-(D1-Pad2): D1.2 SW3.2
Net-(D2-Pad1): D2.1 D3.3 D27.1 D28.3
Net-(D2-Pad3): D2.3 D27.3 R1.2 R2.2
Net-(D5-Pad1): D5.1 D6.1 D7.3 D8.3
Net-(D9-Pad1): D9.1 SW10.2
Net-(D9-Pad2): D9.2 SW9.2
Net-(D10-Pad1): D10.1 SW12.2
Net-(D10-Pad2): D10.2 SW11.2
Net-(D11-Pad1): D11.1 SW15.2
Net-(D11-Pad2): D11.2 SW14.2
Net-(D12-Pad1): D12.1 SW17.2
Net-(D12-Pad2): D12.2 SW16.2
Net-(D13-Pad1): D13.1 SW2.2
Net-(D13-Pad2): D13.2 SW1.2
Net-(D14-Pad1): D14.1 SW20.2
Net-(D14-Pad2): D14.2 SW19.2
Net-(D15-Pad1): D15.1 SW22.2
Net-(D15-Pad2): D15.2 SW21.2
Net-(D16-Pad1): D16.1 SW24.2
Net-(D16-Pad2): D16.2 SW23.2
Net-(D17-Pad1): D17.1 SW26.2
Net-(D17-Pad2): D17.2 SW25.2
Net-(D18-Pad1): D5.3 D6.3 D18.1 D30.1
Net-(D18-Pad3): D4.1 D18.3 D29.1 D30.3
Net-(D19-Pad1): D19.1 D20.1 D21.3 D22.3
Net-(D19-Pad3): D19.3 D20.3 D35.1 D36.1
Net-(D21-Pad1): D21.1 D22.1 D23.3 D24.3
Net-(D23-Pad1): D23.1 D24.1 D25.3 D26.3
Net-(D25-Pad1): D25.1 D26.1 D37.3 D38.3
Net-(D28-Pad1): D3.1 D4.3 D28.1 D29.3
Net-(D31-Pad1): D31.1 SW6.2
Net-(D31-Pad2): D31.2 SW5.2
Net-(D32-Pad1): D32.1 SW8.2
Net-(D32-Pad2): D32.2 SW7.2
Net-(D33-Pad1): D33.1 D34.1 D35.3 D36.3
Net-(D33-Pad3): D7.1 D8.1 D33.3 D34.3
Net-(D37-Pad1): D37.1 D38.1 D39.3 D40.3
Net-(D39-Pad1): D39.1 D40.1 D41.3 D42.3
Net-(D41-Pad1): D41.1 D42.1 D43.3 D44.3
Net-(D43-Pad1): D43.1 D44.1 D45.3 D46.3
Net-(D45-Pad1): D45.1 D46.1 D47.3 D48.3
Net-(D47-Pad1): D47.1 D48.1 D49.3 D50.3
Net-(D49-Pad1): D49.1 D50.1 D51.3 D52.3
Net-(D51-Pad1): D51.1 D52.1 D53.3 D54.3
Net-(D53-Pad1): D53.1 D54.1 D55.3 D56.3
Net-(D55-Pad1): D55.1 D56.1 D57.3 D58.3
Net-(D57-Pad1): D57.1 D58.1 D59.3 D60.3

## Via types
v1: diameter 0.4, hole 0.2, Top to Bottom, 205 vias
v2: diameter 0.8, hole 0.4, Top to Bottom, 13 vias

## Routing (per net, layer and track width the routed paths; a pad name or vN(x,y) marks a point on that pad's centre or on a via; arc(x,y) is an arc through that point)
Gnd: length 897.9
  Top w0.13: 26.94,32.89 26.26,33.57 v1(25.19,33.57) ; v1(25.09,79.07) 26.78,79.07 27.1,78.75 ; v1(92.53,21.52) 93.68,21.52 94.43,20.77 ; v1(114.23,21.37) 115.08,20.52 116.03,20.52 ; 71.03,69.92 70.13,69.92 v1(69.28,70.77) ; 116.13,89.22 115.38,89.97 v1(114.18,89.97) ; v1(24.79,10.72) 26.65,10.72 26.94,10.43 ; v1(46.98,68.87) 47.93,67.92 48.98,67.92 ; v1(90.22,65.7) 91.03,66.52 94.53,66.52 93.76,66.52 v1(92.73,67.55) ; 70.96,24.27 70.26,24.97 v1(69.28,24.97) ; v1(25.09,56.47) 26.25,56.47 26.94,55.78 ; v1(47.26,23.04) 47.55,23.04 48.47,22.12 48.98,22.12 ; 116.13,43.22 114.89,43.22 v1(114.09,44.01) ; 5.48,55.87 4.34,55.87 v1(3.58,56.63) ; v1(90.06,42.13) 92.75,42.13 94.44,43.82 94.53,43.82 93.5,43.82 v1(92.65,44.67) ; v1(92.68,90.32) 93.73,90.32 94.53,89.52 ; 48.88,90.42 47.77,90.42 v1(46.95,91.24) ; v1(113.06,65.01) 114.61,66.57 116.03,66.57 115.24,66.57 v1(114.25,67.56) ; 71.03,93.12 70.28,93.87 v1(69.28,93.87) ; v1(3.92,79.59) 4.57,78.94 5.53,78.94 ; v1(4.05,10.92) 4.85,10.92 5.62,10.15 ; 5.43,32.87 4.64,32.87 v1(3.84,33.67) ; 48.98,45.12 48.17,45.12 v1(47.39,45.9) ; 67.66,40.25 68.37,40.25 71.03,42.92 71.03,47.32 70.93,47.42 v1(69.28,47.42)
  Top w0.25: v2(92.15,55.07) 92.25,55.07 94.38,57.19 ; v2(94.33,60.82) 94.38,60.77 94.38,57.19 ; 67.66,40.25 70.93,40.25 71.49,40.81 v2(72.74,40.81) ; 33.09,54.47 33.09,53.97 34.19,52.87 ; v2(79.3,64.19) 79.3,61.14 78.32,60.16 74.82,60.16 v2(74.11,59.45) ; v2(13.99,81.38) 14,81.39 C1.2 ; 94.38,57.19 94.38,58.15
  Top w1.524: J3.2 15.99,81.73 C1.2
  Bottom w0.13: v1(92.68,90.32) 93.38,91.02 94.53,91.02 ; 116.03,68.07 114.75,68.07 v1(114.25,67.56) ; 71.03,71.42 69.93,71.42 v1(69.28,70.77) ; v1(92.65,44.67) 93.3,45.32 94.53,45.32 ; v1(3.58,56.63) 4.32,57.37 5.53,57.37 ; 48.98,69.42 47.53,69.42 v1(46.98,68.87) ; v1(4.05,10.92) 4.05,10.97 4.74,11.65 5.53,11.65 ; v1(25.19,33.57) 26.01,34.39 26.94,34.39 ; v1(69.28,93.87) 70.03,94.62 71.03,94.62 ; 89.48,65.79 89.57,65.7 v1(90.22,65.7) ; v1(47.26,23.04) 47.83,23.62 48.98,23.62 ; 5.53,80.44 4.77,80.44 v1(3.92,79.59) ; 26.94,11.93 26,11.93 v1(24.79,10.72) ; 48.88,91.92 47.63,91.92 v1(46.95,91.24) ; v1(47.39,45.9) 48.11,46.62 48.98,46.62 ; v1(114.23,21.37) 114.88,22.02 116.03,22.02 ; v1(92.73,67.55) 93.2,68.02 94.53,68.02 ; 94.43,22.27 93.28,22.27 v1(92.53,21.52) ; 5.53,34.37 4.55,34.37 v1(3.84,33.67) ; v1(25.09,56.47) 25.9,57.28 26.94,57.28 ; v1(90.06,42.13) 90.41,42.48 90.41,42.94 ; 125.07,46.81 124.5,46.25 117.12,46.25 116.13,45.26 116.13,44.72 114.8,44.72 v1(114.09,44.01) ; 70.96,25.77 70.08,25.77 v1(69.28,24.97) ; v1(69.28,47.42) 68.83,47.87 68.83,48.4 69.24,48.82 71.03,48.82 ; 27.1,80.25 26.27,80.25 v1(25.09,79.07) ; 111.5,89.43 112.04,89.97 v1(114.18,89.97) 114.93,90.72 116.13,90.72
  Bottom w0.25: 46.11,63.39 46.11,68.27 ; 46.11,63.39 49.56,59.94 49.56,58.03 51.13,56.45 51.13,53.8 ; 46.11,63.39 47.13,62.37 ; 46.11,63.39 47.26,62.24 60.97,62.24 63.24,64.51 77.97,64.51 ; 46.11,68.27 45.36,69.03 45.36,75.86 46.58,77.09 46.58,82.04 44.95,83.67 44.95,87.97 45.43,88.45 45.43,90.57 46.1,91.24 v1(46.95,91.24) ; 46.11,68.27 46.7,68.87 v1(46.98,68.87) ; 1.08,58.03 1.68,57.43 3.06,57.43 3.58,56.92 v1(3.58,56.63) ; 1.08,58.03 1.08,53.43 ; 1.08,58.03 1.08,78.15 3.09,80.16 ; 77.97,64.51 78.2,64.74 78.2,66.15 75.71,68.64 71.95,68.64 71.52,69.07 67.94,69.07 67.45,69.55 67.45,72.5 ; 77.97,64.51 78.98,64.51 v2(79.3,64.19) ; v2(34.34,52.88) 34.34,52.83 35.09,52.08 35.09,49.87 ; 67.45,72.5 67.45,78.94 69.01,80.49 69.01,85.74 66.35,88.4 ; 67.45,72.5 67.55,72.5 v1(69.28,70.77) ; 98.68,38.17 98.68,40.72 97.48,41.93 91.42,41.93 89.94,43.41 89.94,54.52 91.39,55.97 91.39,56.11 ; 98.68,38.17 98.46,37.94 87.04,37.94 84.17,40.81 v2(72.74,40.81) ; 98.68,38.17 98.68,34.32 97.78,33.42 92.98,33.42 90.28,30.72 90.28,22.52 91.28,21.52 v1(92.53,21.52) ; v1(3.92,79.59) 3.35,80.16 3.09,80.16 ; 123.43,58.49 123.05,58.88 123.05,63.36 121.45,64.96 113.1,64.96 v1(113.06,65.01) 111.5,66.57 111.5,89.43 ; 123.43,58.49 124.3,57.62 124.3,51.02 125.16,50.16 125.16,47.16 ; 123.43,58.49 121.4,60.52 98.29,60.52 97.51,59.74 95.41,59.74 v2(94.33,60.82) ; 67.66,40.25 66.37,38.96 66.37,27.88 v1(69.28,24.97) ; 67.66,40.25 67.36,40.55 67.36,43.25 67.86,43.75 67.86,43.78 68.05,43.97 68.05,46.17 66.57,47.65 ; 67.66,40.25 v2(67.81,40.25) ; 3.09,80.16 4.7,81.77 10.44,81.77 10.83,81.38 v2(13.99,81.38) C2.2 15.85,81.57 ; v1(25.09,56.47) 23.39,56.47 23.29,56.57 ; 91.39,56.11 92.15,55.35 v2(92.15,55.07) ; 91.39,56.11 91.39,58.29 90.94,58.74 90.3,58.74 90.2,58.85 90.2,60.24 90.36,60.41 90.36,64.91 89.48,65.79 89.48,89.07 90.73,90.32 v1(92.68,90.32) ; v1(4.05,10.92) 0.55,14.42 0.55,32.42 1.08,32.95 1.08,35.43 ; 66.35,88.4 66.35,92.47 66.36,92.47 67.76,93.87 v1(69.28,93.87) ; 66.35,88.4 66.82,87.93 ; 66.57,47.65 66.57,48.15 ; 66.57,47.65 66.57,57.76 68.88,60.06 73.5,60.06 v2(74.11,59.45) ; 125.16,46.72 125.16,46.3 ; 125.16,46.3 125.16,38.73 118.46,32.02 118.46,29.6 115.31,26.45 115.31,22.44 v1(114.23,21.37) 111.04,24.56 J5.2 ; 125.16,46.3 125.16,47.16 ; v1(3.84,33.67) 2.84,33.67 1.08,35.43 ; 25.49,29.47 25.49,23.77 22.96,21.24 22.96,12.55 22.96,12.55 v1(24.79,10.72) ; 25.49,29.47 25.49,30.27 24.29,31.47 24.29,32.67 ; 25.49,29.47 26.94,29.47 29.49,26.92 39.5,26.92 40.25,27.67 40.25,37.67 41.59,39.01 53.6,39.01 58.01,43.42 ; v1(47.39,45.9) 49.01,47.51 49.01,49.01 48.98,49.04 48.98,51.65 51.13,53.8 ; 24.29,32.67 v1(25.19,33.57) ; 24.29,32.67 26.19,34.57 26.19,38.8 29.6,42.21 29.6,43.88 32.45,46.72 34.88,46.72 35.32,47.17 35.32,49.64 35.09,49.87 ; 1.08,53.43 1.08,35.43 ; 1.08,53.43 4.35,50.16 34.8,50.16 35.09,49.87 ; 58.01,43.42 58.01,46.34 56.57,47.78 55.24,47.78 54.65,48.37 54.65,51.12 51.98,53.8 51.13,53.8 ; 58.01,43.42 58.01,40.36 51.94,34.29 47.98,34.29 45.31,31.62 45.31,25 v1(47.26,23.04) ; 23.29,56.57 22.29,57.57 22.29,78.57 22.79,79.07 v1(25.09,79.07) ; 23.29,56.57 25.49,54.37 32.93,54.37 v2(33.06,54.5) 33.09,54.47 ; 125.16,47.16 125.16,46.91